# Altium PCB KASLI-DIOT-CPU.PcbDoc (part 2 of 5) (continued)
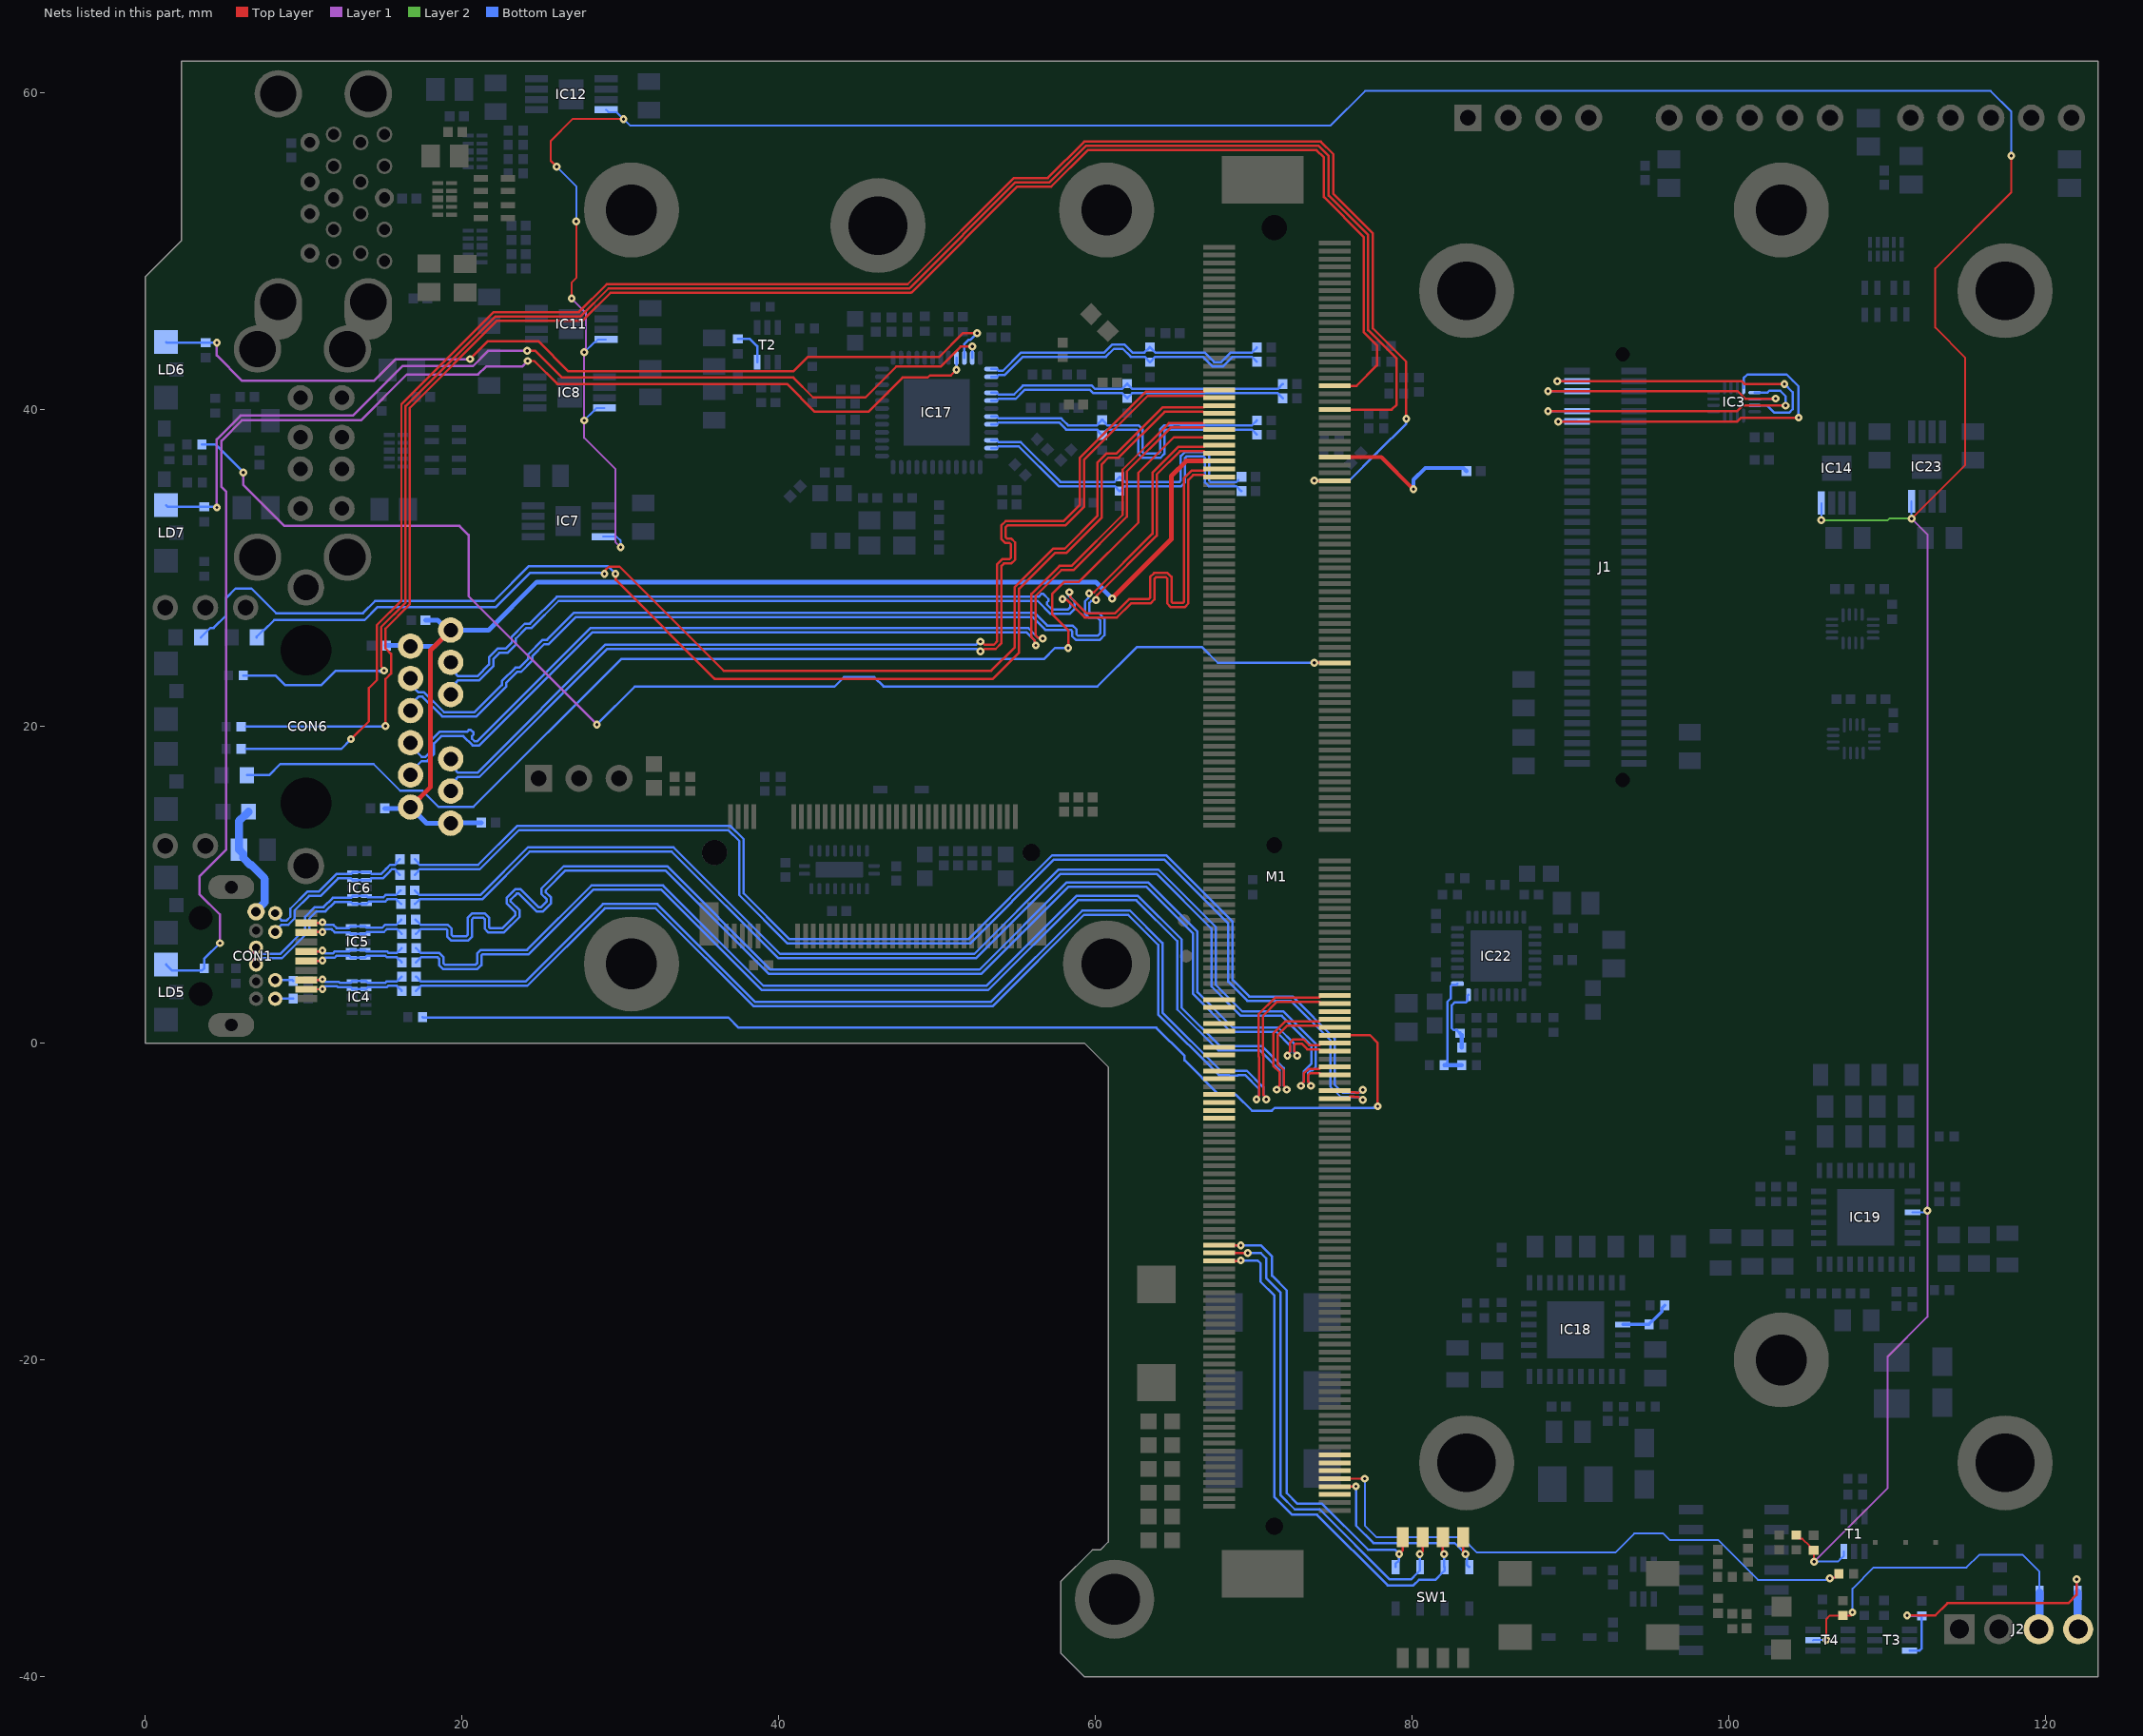
[diagram p4: the nets of this part, all layers, seen from the top]
## Part data (continued)
IC17: "DP83869HM High Immunity 10/100/1000 Ethernet Physical Layer Transceiver WithCopper and Fiber Interface", Case=QFN48, Manufacturer="TEXAS INSTRUMENTS", Author="CERN DEM HF", Bonding=No, Component Type=Standard, ComponentHeight=1mm, CreateDate=24.04.2024, Device=DP83869HMRGZ, HelpURL=\\cern.ch\dfs\Applications\Altium\Datasheets\DP83869HMRGZ.pdf, LatestRevisionDate=24.04.2024, Manufacturer Part Number=DP83869HMRGZ, Mounted=Yes, PackageDescription="QFN, 0.50mm Pitch, Square; 48 Pin, 7.00mm L X 7.00mm W X 1.00mm H body (w/Thermal Tab 4.20 X 4.20mm), IPC Medium Density", Part Description="High Immunity 10/100/1000 Ethernet Physical Layer Transceiver with Copper and Fiber Interface", Part Number=DP83869HMRGZ, Pin Count=48, PressFit=No, Sense=No, SMD=Yes, Socket=No
IC18 IC19: library part MPM54304GMN-XXXX, "Quad-Output Power Module with I2C and MTP", Case=QFN32, Manufacturer="MPS (MONOLITIC  POWER SYSTEMS)", Manufacturer Part Number=MPM54304GMN-002, Author="CERN DEM BC", Bonding=No, Component Type=Standard, ComponentHeight=2.1mm, CreateDate=09.11.2020, HelpURL=\\cern.ch\dfs\Applications\Altium\Datasheets\MPM54304GMN.pdf, LatestRevisionDate=23.11.2022, Mounted=Yes, PackageDescription="MPS LGA-33 Case, 0.65mm Pitch, Rect.; 32 Pin, 7.00mm L X 7.00mm W X 2.10mm H body (w/Thermal Tab 3.55 X 3.55mm)", Part Description="4V to 16V Input, Quad-Output Power Module with I2C and MTP", Pin Count=33, PressFit=No, Sense=No, SMD=Yes, Socket=No
  IC18: Device=MPM54304GMN-0004, Part Number=MPM54304GMN-002
  IC19: Device=MPM54304GMN-0001, Part Number=MPM54304GMN-0001
IC20: "Retriggerable Monostable Multivibrator", Case=SOIC16, Manufacturer="FAIRCHILD SEMICONDUCTOR", Author="CERN DEM BC", Bonding=No, Component Type=Standard, ComponentHeight=1.75mm, CreateDate=23.08.2016, Device=74VHC123AM, HelpURL=\\cern.ch\dfs\Applications\Altium\Datasheets\74VHC123AM.pdf, LatestRevisionDate=23.08.2016, Manufacturer Part Number=74VHC123AM, Mounted=Yes, PackageDescription="SOIC, 1.27mm Pitch; 16 Pin, 3.90mm W x 9.90mm L X 1.75mm H Body, IPC Medium Density", Part Description="Dual Retriggerable Monostable Multivibrator", Part Number=74VHC123AM, Pin Count=16, PressFit=No, Sense=No, SMD=Yes, Socket=No
IC21: library part TMUXHS4212, "Two-Channel Differential 2:1 MUX or 1:2 Demux"
IC22: library part PI6CB18401, "Very Low Power 4-Output PCIe Clock Buffer With On-chip Termination"
J1: library part SAMTEC_LSS-140-01-L-DV-A, "Connector 80 Hermaphroditic", Manufacturer=SAMTEC, Manufacturer Part Number=LSS-140-01-L-DV-A, Author="CERN DEM JMW", Component Type=Standard, ComponentHeight=4.57mm, CreateDate=10.11.2015, HelpURL=\\cern.ch\dfs\Applications\Altium\Datasheets\SAMTEC_LSS-140-01-L-DV-A.pdf, LatestRevisionDate=10.11.2015, Mounted=Yes, Part Description="80 Contacts, Pitch 0.635mm, Razor Beam LSS Vertical High Speed Hermaphroditic Strip (Lead Style 4.5mm)", Part Number=SAMTEC_LSS-140-01-L-DV-A, Pin Count=80, PressFit=No, Sense=No, SMD=Yes, Socket=No, Status=None
J2: library part MOLEX_22-04-1041, "Connector 4 Male", Manufacturer=MOLEX, Manufacturer Part Number=22-04-1041, Author="CERN DEM JLC", Component Type=Standard, ComponentHeight=11.7mm, CreateDate=09.02.2012, Family=KK®, HelpURL=\\cern.ch\dfs\Applications\Altium\Datasheets\MOLEX_22-04-1041.pdf, LatestRevisionDate=09.02.2012, Mounted=Yes, Part Description="2.5mm (.100\") Pitch KK® Wire-to-Board Header, Vertical, with Friction Lock, 4 Circuits, Tin (Sn) Plating", Part Number=MOLEX_22-04-1041, Pin Count=4, PressFit=No, Sense=No, SMD=No, Socket=No, Status=Obsolete
L3 L4 L9 L10 L14 L17: library part L_CMC_DLSCM0805_90R, "Common Mode Choke 90R"
LD1 LD6: library part LED_DIALIGHT_597-2111-407F, "https://www.mouser.pl/ProductDetail/Kingbright/APA3010SECK-GX?qs=sGAEpiMZZMt82OzCyDsLFKA61kPckac5U%252BKMX0q8m8Q%3D", Case=1208, Manufacturer=DIALIGHT, Manufacturer Part Number=597-2111-407F, Author="CERN DEM JMW", Bonding=No, Color=Orange, Component Type=Standard, ComponentHeight=1mm, CreateDate=14.09.2015, HelpURL=\\cern.ch\dfs\Applications\Altium\Datasheets\LED_DIALIGHT_597-2111-407F.pdf, LatestRevisionDate=14.09.2015, Mounted=Yes, PackageDescription="SMT GaAlAs Red LED, Body 3x2mm (1208),  DIALIGHT 597 Series", Part Description="Right Angle SMT GaAIAs Red LED, 597 Series", Part Number=LED_DIALIGHT_597-2111-407F, Pin Count=3, PressFit=No, Sense=No, SMD=Yes, Socket=No
LD2 LD5: library part LED_DIALIGHT_597-2111-407F, "https://www.mouser.pl/ProductDetail/Kingbright/APA3010EC-GX?qs=sGAEpiMZZMt82OzCyDsLFDW2r6KyqONY2QQPZo8KS1I%3D", Case=1208, Manufacturer=DIALIGHT, Manufacturer Part Number=597-2111-407F, Author="CERN DEM JMW", Bonding=No, Color=Red, Component Type=Standard, ComponentHeight=1mm, CreateDate=14.09.2015, HelpURL=\\cern.ch\dfs\Applications\Altium\Datasheets\LED_DIALIGHT_597-2111-407F.pdf, LatestRevisionDate=14.09.2015, Mounted=Yes, PackageDescription="SMT GaAlAs Red LED, Body 3x2mm (1208),  DIALIGHT 597 Series", Part Description="Right Angle SMT GaAIAs Red LED, 597 Series", Part Number=LED_DIALIGHT_597-2111-407F, Pin Count=3, PressFit=No, Sense=No, SMD=Yes, Socket=No
LD3 LD7: library part LED_DIALIGHT_597-2111-407F, "https://www.mouser.pl/ProductDetail/Kingbright/APA3010SGC-GX?qs=sGAEpiMZZMt82OzCyDsLFOTeXJMTPP2t8pkIn112vkg%3D", Case=1208, Manufacturer=DIALIGHT, Manufacturer Part Number=597-2111-407F, Author="CERN DEM JMW", Bonding=No, Color=Green, Component Type=Standard, ComponentHeight=1mm, CreateDate=14.09.2015, HelpURL=\\cern.ch\dfs\Applications\Altium\Datasheets\LED_DIALIGHT_597-2111-407F.pdf, LatestRevisionDate=14.09.2015, Mounted=Yes, PackageDescription="SMT GaAlAs Red LED, Body 3x2mm (1208),  DIALIGHT 597 Series", Part Description="Right Angle SMT GaAIAs Red LED, 597 Series", Part Number=LED_DIALIGHT_597-2111-407F, Pin Count=3, PressFit=No, Sense=No, SMD=Yes, Socket=No
LD4: library part LED_OPTEK_OVSRRGBCC3_a, "Right Angle Tricolor (RGB) Surface Mount LED, Body 3.2x1mm", Case=1204, Manufacturer="OPTEK / TT ELECTRONICS", Manufacturer Part Number=OVSRRGBCC3, Author="CERN DEM JLC", Bonding=No, Color=Red/Green/Blue, Component Type=Standard, ComponentHeight=1mm, CreateDate=09.08.2011, HelpURL=\\cern.ch\dfs\Applications\Altium\Datasheets\LED_OPTEK_OVSRRGBCC3.pdf, LatestRevisionDate=09.08.2011, Mounted=Yes, PackageDescription="Side Mount, Full-Color (RGB), 1204 Surface Mount LED (150° Viewing Angle)", Part Description="Side Mount, Full-Color (RGB), 1204 Surface Mount LED (150° Viewing Angle)", Part Number=LED_OPTEK_OVSRRGBCC3_a, Pin Count=4, PressFit=No, Sense=No, SMD=Yes, Socket=No
MP1 MP2 MP3 MP4: library part 9774050151R, "WA-SMSI SMT Steel Spacer, internal Thread, OD 5.1mm, M2.5x5mm", Manufacturer 1="Wurth Elektronik", Operating Temperature="-55 to +150degC", ComponentLink1Description=Manufacturer, ComponentLink1URL=http://www.we-online.de, ComponentLink2Description=Datasheet, ComponentLink2URL=https://www.we-online.com/catalog/datasheet/9774050151R.pdf, Inner Diameter=3.5mm, Inner Thread Length=-, Length=5mm, Manufacturer 1 Part Number=9774050151R, Material=Steel, Mounting Technology=SMT, Outer Diameter=5.1mm, Packaging="Tape and Reel", Published Date="April 2020", Surface=Tin, Thread=M2.5
MP5: library part 9774025151, "WA-SMSI SMT Steel Spacer, internal Thread, OD 5.1mm, M2.5x2.5mm", Manufacturer="Wurth Elektronik", Operating Temperature="-55 to +150degC", ComponentLink1Description=Manufacturer, ComponentLink1URL=http://www.we-online.de, ComponentLink2Description=Datasheet, ComponentLink2URL=https://www.we-online.com/catalog/datasheet/9774025151.pdf, Inner Diameter=3.5mm, Inner Thread Length=-, Length=2.5mm, Manufacturer Part Number=9774025151, Material=Steel, Mounting Technology=SMT, Outer Diameter=5.1mm, Packaging=Bulk, Published Date="April 2020", Surface=Tin, Thread=M2.5
PB1 PB2: library part PB_TYCO_FSMSM, "Push-Button Switch SPST", Manufacturer="TYCO ELECTRONICS", Manufacturer Part Number="FSMSM or 1437566-3", Author="CERN DEM JLC", Component Type=Standard, ComponentHeight=4.3mm, CreateDate=30.06.2008, Family="Push Button", HelpURL=\\cern.ch\dfs\Applications\Altium\Datasheets\PB_TYCO_FSMSM.pdf, LatestRevisionDate=21.06.2012, Mounted=Yes, PackageDescription="Body 3.5x6.0mm, Pushbutton Switch, TYCO ALCOSWITCH FSMSM Serie", Part Description="12VDC 50mA SPST Tactile Push-Button Switch", Part Number=PB_TYCO_FSMSM, Pin Count=2, PressFit=No, Sense=No, SMD=Yes, Socket=No, Status=None
Q1: library part "XTAL_25MHZ_EPSON_TSX-3225 25.0000MF10Z-AC", "Crystal 4 pins 1=XTAL Control 2=GND3=XTAL 4=GND", Manufacturer=EPSON, Manufacturer Part Number="TSX-3225 25.0000MF10Z-AC", Author="CERN DEM JLC", Bonding=No, Component Type=Standard, ComponentHeight=0.6mm, ComponentLink1Description="Ordering Informations", ComponentLink1URL=\\cern.ch\dfs\Applications\Altium\Datasheets\XTAL_EPSON_TSX-3225_Ordering-Informations.pdf, CreateDate=03.04.2012, HelpURL=\\cern.ch\dfs\Applications\Altium\Datasheets\XTAL_EPSON_TSX-3225.pdf, LatestRevisionDate=06.10.2016, Mounted=Yes, PackageDescription="Crystal, Corner Concave; 4 Pin, 2.50mm L X 3.20mm W X 0.6mm H, TSX-3225 Serie", Part Description="Tolerance: ±10ppm,  Stability:±10ppm, -20°C to 75°C, 9pF, Surface Mount Quartz Crystal, TX-3225 Series", Part Number="XTAL_25MHZ_EPSON_TSX-3225 25.0000MF10Z-AC", Pin Count=4, PressFit=No, Sense=No, SMD=Yes, Socket=No
R1 R2 R3 R105 R106 R107 R108 R109 R110 R111 R112 R113 R114 R115: library part R0402_1K2_1%_0.0625W_100PPM, "Resistor - 1%", Case=0402, Manufacturer=GENERIC, Manufacturer1 ComponentHeight=0.4mm, Manufacturer 1="YAGEO PHYCOMP", Manufacturer 1 Part Number=232270671202L, Power=0.0625W, Tolerance=±1%, Author="CERN DEM JLC", Component Type=Standard, CreateDate=03.12.2007, HelpURL=\\cern.ch\dfs\Applications\Altium\Datasheets\R0402_Phycomp_RC0402.pdf, LatestRevisionDate=17.10.2012, Manufacturer Part Number=R0402_1K2_1%_0.0625W_100PPM, Mounted=Yes, Part Description="General Purpose Thick Film Chip Resistor", Part Number=R0402_1K2_1%_0.0625W_100PPM, Pin Count=2, PressFit=No, Sense=No, SMD=Yes, Socket=No, Status="Not Recommended", TC=±100ppm/°C
R4 R5 R6 R7 R8 R13 R29 R37 R38 R39 R40 R41: library part R0402_0R_JUMPER, "Resistor", Case=0402, Manufacturer=GENERIC, Manufacturer1 ComponentHeight=0.4mm, Manufacturer1 Example="YAGEO PHYCOMP", Manufacturer1 Part Number=232270591001L, Author="CERN DEM JLC", Component Type=Standard, CreateDate=03.12.2007, HelpURL=\\cern.ch\dfs\Applications\Altium\Datasheets\R0402_Phycomp_RC0402.pdf, LatestRevisionDate=17.10.2012, Manufacturer Part Number=R0402_0R_JUMPER, Mounted=Yes, Part Description="1A (0.05R Max DC Resistance) Zero Ohm Jumper", Part Number=R0402_0R_JUMPER, Pin Count=2, PressFit=No, Sense=No, SMD=Yes, Socket=No, Status="Not Recommended"
R9 R10 R11 R12 R14 R15 R16 R17 R18 R42 R43 R44 R45 R50 R51 R52 R53: library part R0402_100R_1%_0.0625W_100PPM, "Resistor - 1%", Case=0402, Manufacturer=GENERIC, Manufacturer1 ComponentHeight=0.4mm, Manufacturer1 Example="YAGEO PHYCOMP", Manufacturer1 Part Number=232270671001L, Power=0.0625W, Tolerance=±1%, Author="CERN DEM JLC", Component Type=Standard, HelpURL=\\cern.ch\dfs\Applications\Altium\Datasheets\R0402_Phycomp_RC0402.pdf, Manufacturer Part Number=R0402_100R_1%_0.0625W_100PPM, Mounted=Yes, Part Description="General Purpose Thick Film Chip Resistor", Part Number=R0402_100R_1%_0.0625W_100PPM, Pin Count=2, SMD=Yes, Socket=No, TC=±100ppm/°C
  R9 R10 R11 R12 R14 R15 R16 R17 R42 R43 R44 R45 R50 R51 R52 R53: CreateDate=03.12.2007, LatestRevisionDate=17.10.2012, PressFit=No, Sense=No, Status="Not Recommended"
  R18: CreateDate=2007-12-03, LatestRevisionDate=2012-10-17, Status="Not recommended", Table="Resistors SMD"
R19 R20 R21: library part R0603_330R_1%_0.1W_100PPM, "Resistor - 1%", Case=0603, Manufacturer=GENERIC, Manufacturer1 ComponentHeight=0.55mm, Manufacturer1 Example="NIC COMPONENT", Manufacturer1 Part Number=NRC06F3300TRF, Power=0.1W, Tolerance=±1%, Author="CERN DEM JLC", Component Type=Standard, CreateDate=2007-12-03, HelpURL=\\cern.ch\dfs\Applications\Altium\Datasheets\R0603_NIC_NRC.pdf, LatestRevisionDate=2008-03-13, Manufacturer Part Number=R0603_330R_1%_0.1W_100PPM, Mounted=Yes, Part Description="General Purpose Thick Film Chip Resistor", Part Number=R0603_330R_1%_0.1W_100PPM, Pin Count=2, SMD=Yes, Socket=No, Status=Preferred, Table="Resistors SMD", TC=±100ppm/°C
R22: library part R0402_100R_0.1%_0.063W_25PPM, "Resistor - 0.1%", Case=0402, Manufacturer=GENERIC, Manufacturer1 ComponentHeight=0.35mm, Manufacturer1 Example="TE CONNECTIVITY", Manufacturer1 Part Number=CPF0402B100RE1, Power=0.063W, Tolerance=±0.1%, Author="CERN DEM JMW", Component Type=Standard, CreateDate=22.09.2015, HelpURL=\\cern.ch\dfs\Applications\Altium\Datasheets\R0402_TYCO_CPF.pdf, LatestRevisionDate=22.09.2015, Manufacturer Part Number=R0402_100R_0.1%_0.063W_25PPM, Mounted=Yes, Part Description="Thin Film Precision Resistor", Part Number=R0402_100R_0.1%_0.063W_25PPM, Pin Count=2, PressFit=No, Sense=No, SMD=Yes, Socket=No, Status="Not Recommended", TC=±25ppm/°C
R23 R24 R25 R26 R28 R32 R33 R36: library part R0402_2K49_1%_0.063W_100PPM, "Resistor - 1%", Case=0402, Manufacturer=GENERIC, Manufacturer1 ComponentHeight=0.4mm, Manufacturer1 Example=VISHAY, Manufacturer1 Part Number=CRCW04022K49FK, Power=0.063W, Tolerance=±1%, Author="CERN DEM BC", Component Type=Standard, CreateDate=10.01.2020, HelpURL="\\cern.ch\dfs\Applications\Altium\Datasheets\R0402_VISHAY_CRCW e3.pdf", LatestRevisionDate=10.01.2020, Manufacturer Part Number=R0402_2K49_1%_0.063W_100PPM, Mounted=Yes, Part Description="General Purpose Thick Film Chip Resistor", Part Number=R0402_2K49_1%_0.063W_100PPM, Pin Count=2, PressFit=No, Sense=No, SMD=Yes, Socket=No, Status=None, TC=±100ppm/°C
R27 R30 R31 R46 R47 R48: library part R0402_470R_1%_0.0625W_100PPM, "Resistor - 1%", Case=0402, Manufacturer=GENERIC, Manufacturer1 ComponentHeight=0.4mm, Manufacturer1 Example="YAGEO PHYCOMP", Manufacturer1 Part Number=232270674701L, Power=0.0625W, Tolerance=±1%, Author="CERN DEM JLC", Component Type=Standard, CreateDate=03.12.2007, HelpURL=\\cern.ch\dfs\Applications\Altium\Datasheets\R0402_Phycomp_RC0402.pdf, LatestRevisionDate=17.10.2012, Manufacturer Part Number=R0402_470R_1%_0.0625W_100PPM, Mounted=Yes, Part Description="General Purpose Thick Film Chip Resistor", Part Number=R0402_470R_1%_0.0625W_100PPM, Pin Count=2, PressFit=No, Sense=No, SMD=Yes, Socket=No, Status="Not Recommended", TC=±100ppm/°C
R34: library part R0402_11K_1%_0.0625W_100PPM, "Resistor - 1%", Case=0402, Manufacturer=GENERIC, Manufacturer1 ComponentHeight=0.4mm, Manufacturer1 Example="YAGEO PHYCOMP", Manufacturer1 Part Number=232270671103L, Power=0.0625W, Tolerance=±1%, Author="CERN DEM JLC", Component Type=Standard, CreateDate=03.12.2007, HelpURL=\\cern.ch\dfs\Applications\Altium\Datasheets\R0402_Phycomp_RC0402.pdf, LatestRevisionDate=17.10.2012, Manufacturer Part Number=R0402_11K_1%_0.0625W_100PPM, Mounted=Yes, Part Description="General Purpose Thick Film Chip Resistor", Part Number=R0402_11K_1%_0.0625W_100PPM, Pin Count=2, PressFit=No, Sense=No, SMD=Yes, Socket=No, Status="Not Recommended", TC=±100ppm/°C
R57 R64 R71 R79 R83 R89: library part R0805_0R_JUMPER, "Resistor", Case=0805, Manufacturer=GENERIC, Manufacturer1 ComponentHeight=0.6mm, Manufacturer1 Example="NIC COMPONENT", Manufacturer1 Part Number=NRC10Z0, Author="CERN DEM JLC", Component Type=Standard, CreateDate=03.12.2007, HelpURL=\\cern.ch\dfs\Applications\Altium\Datasheets\R0805_NIC_NRC.pdf, LatestRevisionDate=13.03.2008, Manufacturer Part Number=R0805_0R_JUMPER, Mounted=Yes, Part Description="2A (0.05R Max DC Resistance) Zero Ohm Jumper", Part Number=R0805_0R_JUMPER, Pin Count=2, PressFit=No, Sense=No, SMD=Yes, Socket=No, Status=Preferred
R58 R59 R70 R72 R73 R78 R80 R90 R97 R98 R100: library part R0402_68K_1%_0.0625W_100PPM, "Resistor - 1%", Case=0402, Manufacturer=GENERIC, Manufacturer1 ComponentHeight=0.4mm, Manufacturer1 Example="YAGEO PHYCOMP", Manufacturer1 Part Number=232270676803L, Power=0.0625W, Tolerance=±1%, Author="CERN DEM JLC", Component Type=Standard, CreateDate=03.12.2007, HelpURL=\\cern.ch\dfs\Applications\Altium\Datasheets\R0402_Phycomp_RC0402.pdf, LatestRevisionDate=17.10.2012, Manufacturer Part Number=R0402_68K_1%_0.0625W_100PPM, Mounted=Yes, Part Description="General Purpose Thick Film Chip Resistor", Part Number=R0402_68K_1%_0.0625W_100PPM, Pin Count=2, PressFit=No, Sense=No, SMD=Yes, Socket=No, Status="Not Recommended", TC=±100ppm/°C
R60 R65 R76 R77 R84 R92 R95 R99: library part R0402_24K_1%_0.0625W_100PPM, "Resistor - 1%", Case=0402, Manufacturer=GENERIC, Manufacturer1 ComponentHeight=0.4mm, Manufacturer1 Example="YAGEO PHYCOMP", Manufacturer1 Part Number=232270672403L, Power=0.0625W, Tolerance=±1%, Author="CERN DEM JLC", Component Type=Standard, CreateDate=03.12.2007, HelpURL=\\cern.ch\dfs\Applications\Altium\Datasheets\R0402_Phycomp_RC0402.pdf, LatestRevisionDate=17.10.2012, Manufacturer Part Number=R0402_24K_1%_0.0625W_100PPM, Mounted=Yes, Part Description="General Purpose Thick Film Chip Resistor", Part Number=R0402_24K_1%_0.0625W_100PPM, Pin Count=2, PressFit=No, Sense=No, SMD=Yes, Socket=No, Status="Not Recommended", TC=±100ppm/°C
R61 R67 R69 R75: library part R0402_240R_1%_0.0625W_100PPM, "Resistor - 1%", Case=0402, Manufacturer=GENERIC, Manufacturer1 ComponentHeight=0.4mm, Manufacturer1 Example="YAGEO PHYCOMP", Manufacturer1 Part Number=232270672401L, Power=0.0625W, Tolerance=±1%, Author="CERN DEM JLC", Component Type=Standard, CreateDate=03.12.2007, HelpURL=\\cern.ch\dfs\Applications\Altium\Datasheets\R0402_Phycomp_RC0402.pdf, LatestRevisionDate=17.10.2012, Manufacturer Part Number=R0402_240R_1%_0.0625W_100PPM, Mounted=Yes, Part Description="General Purpose Thick Film Chip Resistor", Part Number=R0402_240R_1%_0.0625W_100PPM, Pin Count=2, PressFit=No, Sense=No, SMD=Yes, Socket=No, Status="Not Recommended", TC=±100ppm/°C
R62 R66: library part R0402_3K3_1%_0.0625W_100PPM, "Resistor - 1%", Case=0402, Manufacturer=GENERIC, Manufacturer1 ComponentHeight=0.4mm, Manufacturer1 Example="YAGEO PHYCOMP", Manufacturer1 Part Number=232270673302L, Power=0.0625W, Tolerance=±1%, Author="CERN DEM JLC", Component Type=Standard, CreateDate=03.12.2007, HelpURL=\\cern.ch\dfs\Applications\Altium\Datasheets\R0402_Phycomp_RC0402.pdf, LatestRevisionDate=17.10.2012, Manufacturer Part Number=R0402_3K3_1%_0.0625W_100PPM, Mounted=Yes, Part Description="General Purpose Thick Film Chip Resistor", Part Number=R0402_3K3_1%_0.0625W_100PPM, Pin Count=2, PressFit=No, Sense=No, SMD=Yes, Socket=No, Status="Not Recommended", TC=±100ppm/°C
R63 R68 R74 R86 R87 R88 R93 R94 R101: library part R0402_10K_1%_0.0625W_100PPM, "Resistor - 1%", Case=0402, Manufacturer=GENERIC, Manufacturer1 ComponentHeight=0.4mm, Manufacturer1 Example="YAGEO PHYCOMP", Manufacturer1 Part Number=232270671003L, Power=0.0625W, Tolerance=±1%, Author="CERN DEM JLC", Component Type=Standard, HelpURL=\\cern.ch\dfs\Applications\Altium\Datasheets\R0402_Phycomp_RC0402.pdf, Manufacturer Part Number=R0402_10K_1%_0.0625W_100PPM, Mounted=Yes, Part Description="General Purpose Thick Film Chip Resistor", Part Number=R0402_10K_1%_0.0625W_100PPM, Pin Count=2, SMD=Yes, Socket=No, TC=±100ppm/°C
  R63 R68 R74 R86 R87 R88 R93 R94: CreateDate=03.12.2007, LatestRevisionDate=17.10.2012, PressFit=No, Sense=No, Status="Not Recommended"
  R101: CreateDate=2007-12-03, LatestRevisionDate=2012-10-17, Status="Not recommended", Table="Resistors SMD"
R81 R91 R96: library part R0402_15K_1%_0.0625W_100PPM, "Resistor - 1%", Case=0402, Manufacturer=GENERIC, Manufacturer1 ComponentHeight=0.4mm, Manufacturer1 Example=VISHAY, Manufacturer1 Part Number=CRCW040215K0FK, Power=0.0625W, Tolerance=±1%, Author="CERN DEM JMW", Component Type=Standard, CreateDate=06.07.2015, HelpURL="\\cern.ch\dfs\Applications\Altium\Datasheets\R0402_VISHAY_CRCW e3.pdf", LatestRevisionDate=06.07.2015, Manufacturer Part Number=R0402_15K_1%_0.0625W_100PPM, Mounted=Yes, Part Description="General Purpose Thick Film Chip Resistor", Part Number=R0402_15K_1%_0.0625W_100PPM, Pin Count=2, PressFit=No, Sense=No, SMD=Yes, Socket=No, Status=Preferred, TC=±100ppm/°C
R82 R85: library part R0402_7K5_1%_0.0625W_100PPM, "Resistor - 1%", Case=0402, Manufacturer=GENERIC, Manufacturer1 ComponentHeight=0.4mm, Manufacturer1 Example="YAGEO PHYCOMP", Manufacturer1 Part Number=232270677502L, Power=0.0625W, Tolerance=±1%, Author="CERN DEM JLC", Component Type=Standard, CreateDate=03.12.2007, HelpURL=\\cern.ch\dfs\Applications\Altium\Datasheets\R0402_Phycomp_RC0402.pdf, LatestRevisionDate=17.10.2012, Manufacturer Part Number=R0402_7K5_1%_0.0625W_100PPM, Mounted=Yes, Part Description="General Purpose Thick Film Chip Resistor", Part Number=R0402_7K5_1%_0.0625W_100PPM, Pin Count=2, PressFit=No, Sense=No, SMD=Yes, Socket=No, Status="Not Recommended", TC=±100ppm/°C
R102: library part R0402_150R_1%_0.0625W_100PPM, "Resistor - 1%", Case=0402, Manufacturer=GENERIC, Manufacturer1 ComponentHeight=0.4mm, Manufacturer1 Example="YAGEO PHYCOMP", Manufacturer1 Part Number=232270671501L, Power=0.0625W, Tolerance=±1%, Author="CERN DEM JLC", Component Type=Standard, CreateDate=03.12.2007, HelpURL=\\cern.ch\dfs\Applications\Altium\Datasheets\R0402_Phycomp_RC0402.pdf, LatestRevisionDate=17.10.2012, Manufacturer Part Number=R0402_150R_1%_0.0625W_100PPM, Mounted=Yes, Part Description="General Purpose Thick Film Chip Resistor", Part Number=R0402_150R_1%_0.0625W_100PPM, Pin Count=2, PressFit=No, Sense=No, SMD=Yes, Socket=No, Status="Not Recommended", TC=±100ppm/°C
R103 R104: library part R0402_33R_1%_0.0625W_100PPM, "Resistor - 1%", Case=0402, Manufacturer=GENERIC, Manufacturer1 ComponentHeight=0.4mm, Manufacturer1 Example="YAGEO PHYCOMP", Manufacturer1 Part Number=232270673309L, Power=0.0625W, Tolerance=±1%, Author="CERN DEM JLC", Component Type=Standard, CreateDate=03.12.2007, HelpURL=\\cern.ch\dfs\Applications\Altium\Datasheets\R0402_Phycomp_RC0402.pdf, LatestRevisionDate=17.10.2012, Manufacturer Part Number=R0402_33R_1%_0.0625W_100PPM, Mounted=Yes, Part Description="General Purpose Thick Film Chip Resistor", Part Number=R0402_33R_1%_0.0625W_100PPM, Pin Count=2, PressFit=No, Sense=No, SMD=Yes, Socket=No, Status="Not Recommended", TC=±100ppm/°C
SW1: library part SW_DIPTRONICS_DHA-04TQ, "4 Ways SPST DIP Switch", Manufacturer=DIPTRONICS, Manufacturer Part Number=DHA-04TQ, Author="CERN DEM JLC", Component Type=Standard, ComponentHeight=2.3mm, CreateDate=30.05.2017, Family=Switch, HelpURL=\\cern.ch\dfs\Applications\Altium\Datasheets\SW_DIPTRONICS_DHA-04TQ.pdf, LatestRevisionDate=30.05.2017, Mounted=Yes, PackageDescription="Pitch 1.27mm, Body 6.2x6.2mm, 4 Ways SPST Surface-Mount DIP Switch, DIPTRONICS DHA Series", Part Description="4 Way SPST SMD DIP Switch, Latched, Contact Rating 25mA 24VDC, DHA Series", Part Number=SW_DIPTRONICS_DHA-04TQ, Pin Count=8, PressFit=No, Sense=No, SMD=Yes, Socket=No, Status=None
SW2: library part JUMPSM3P, "3 SMD Pads for Bound by Solder  Drop", Manufacturer=None, Author="CERN DEM JLC", Component Type="Standard (No BOM)", ComponentHeight=0mm, CreateDate=19.11.2013, Family=Switch, HelpURL=None, LatestRevisionDate=12.02.2021, Manufacturer Part Number=None, Mounted=No, PackageDescription="3 Pads for Bound by Solder Drop", Part Description="3 Pads for Bound by Solder Drop", Part Number=JUMPSM3P, Pin Count=3, PressFit=No, Sense=No, SMD=No, Socket=No, Status=None
T1 T2: "20V N & P-Channel PowerTrench MOSFETs", Case=SOT363, Manufacturer="FAIRCHILD SEMICONDUCTOR", Author="CERN DEM JLC", Bonding=No, Component Type=Standard, ComponentHeight=1.1mm, CreateDate=25.11.2008, Device=FDG6332C, HelpURL=\\cern.ch\dfs\Applications\Altium\Datasheets\FDG6332C.pdf, LatestRevisionDate=25.11.2008, Manufacturer Part Number=FDG6332C, Mounted=Yes, PackageDescription="SOT363, SC-88, 0.65mm Pitch; 6 Pin, 1.25mm W X 2.00mm L X 1.10mm H body, IPC Medium Density", Part Description="20V, N & P-Channel PowerTrench® MOSFETs", Part Number=FDG6332C, Pin Count=6, PressFit=No, Sense=No, SMD=Yes, Socket=No
T3 T4 T5: "Dual N-Channel micro TrenchMOS™ Ultra Low Level FET", Case=SOT363, Manufacturer="NXP SEMICONDUCTORS", Author="CERN DEM JLC", Bonding=No, Component Type=Standard, ComponentHeight=1.1mm, CreateDate=19.11.2014, Device=PMGD280UN, HelpURL=\\cern.ch\dfs\Applications\Altium\Datasheets\PMGD280UN.pdf, LatestRevisionDate=19.11.2014, Manufacturer Part Number=PMGD280UN, Mounted=Yes, PackageDescription="SOT363, SC70-6, 0.65mm Pitch; 6 Pin, 1.25mm W X 2.00mm L X 1.10mm H body, IPC Medium Density", Part Description="20V 870mA Dual N-Channel micro TrenchMOS™ Ultra Low Level FET", Part Number=PMGD280UN, Pin Count=6, PressFit=No, Sense=No, SMD=Yes, Socket=No
TP1 TP2: "Testpoint"
TP3 TP4: library part SMD_PAD_1.27X1.27MM, Author="CERN DEM JLC", Component Type="Standard (No BOM)", ComponentHeight=0mm, CreateDate=12.01.2008, Family="Test Point", HelpURL=Undefined, LatestRevisionDate=12.01.2008, Mounted=No, PackageDescription="1.27mm x 1.27mm PCB Copper Area (SMD Test Point)", Part Description="1.27mm x 1.27mm PCB Copper Area (SMD Test Point)", Part Number=SMD_PAD_1.27X1.27MM, Pin Count=1, Sense=No, SMD=Yes, Socket=No, Status=None
W1: library part SAMTEC_TSW-103-23-L-S, "3 Mini Wire-Wrap Contact Strip Header", Manufacturer=SAMTEC, Manufacturer Part Number=TSW-103-23-L-S, Author="CERN DEM JLC", Component Type=Standard, ComponentHeight=8.38mm, CreateDate=10.10.2012, Family="Header 3", HelpURL=\\cern.ch\dfs\Applications\Altium\Datasheets\SAMTEC_TSW-103-23-L-S.pdf, LatestRevisionDate=10.10.2012, Mounted=Yes, Part Description="3 Contacts, Pitch 2.54mm, Single Row  Through Mount Straight Header (Post Lead 5.84mm, Tail Lead 2.92mm, Insulator 2.54mm)", Part Number=SAMTEC_TSW-103-23-L-S, Pin Count=3, PressFit=No, Sense=No, SMD=No, Socket=No, Status=None
W2: library part SAMTEC_TSW-104-23-L-S, "4 Mini Wire-Wrap Contact Strip Header", Manufacturer=SAMTEC, Manufacturer Part Number=TSW-104-23-L-S, Author="CERN DEM JLC", Component Type=Standard, ComponentHeight=8.38mm, CreateDate=10.10.2012, Family="Header 4", HelpURL=\\cern.ch\dfs\Applications\Altium\Datasheets\SAMTEC_TSW-104-23-L-S.pdf, LatestRevisionDate=10.10.2012, Mounted=Yes, Part Description="4 Contacts, Pitch 2.54mm, Single Row  Through Mount Straight Header (Post Lead 5.84mm, Tail Lead 2.92mm, Insulator 2.54mm)", Part Number=SAMTEC_TSW-104-23-L-S, Pin Count=4, PressFit=No, Sense=No, SMD=No, Socket=No, Status=None
W3 W4: library part SAMTEC_MTLW-105-07-L-S-250, "5 Mini Wire-Wrap Contact Strip Header", Manufacturer=SAMTEC, Manufacturer Part Number=MTLW-105-07-L-S-250, Author="CERN DEM JLC", Component Type=Standard, ComponentHeight=7.87mm, CreateDate=07.01.2015, Family="Header 5", HelpURL=\\cern.ch\dfs\Applications\Altium\Datasheets\SAMTEC_MTLW-105-07-L-S-250.pdf, LatestRevisionDate=07.01.2015, Mounted=Yes, Part Description="5 Contacts, Pitch 2.54mm, Single Row Through Mount Straight Header (Post Lead = 6.35mm, Tail Lead 3.05mm, Insulator 1.52mm)", Part Number=SAMTEC_MTLW-105-07-L-S-250, Pin Count=5, PressFit=No, Sense=No, SMD=No, Socket=No, Status=None

## Free pads (board coordinates)
  round 5 hole 3.2: 0(61.208,-35.104)
  round 6 / inner round 3.5 / far side round 6 hole 3.2: 1(60.7,52.6)
  round 5.5 / inner round 3.5 / far side round 5.5 hole 3.2: 1(60.7,5)
  round 6 hole 3.2: 1(103.3,-20) 1(103.3,52.6) 2(30.7,52.6) 2(30.7,5)

## Via types
v1: diameter 0.5, hole 0.2, Top Layer to Bottom Layer, tented both sides, 514 vias
v2: diameter 0.5, hole 0.25, Top Layer to Bottom Layer, tented both sides, 262 vias
v3: diameter 0.5, hole 0.25, Top Layer to Bottom Layer, 130 vias
v4: diameter 0.5, hole 0.2, Top Layer to Bottom Layer, 43 vias
